# Altium PCB PCB3.PcbDoc (continued)
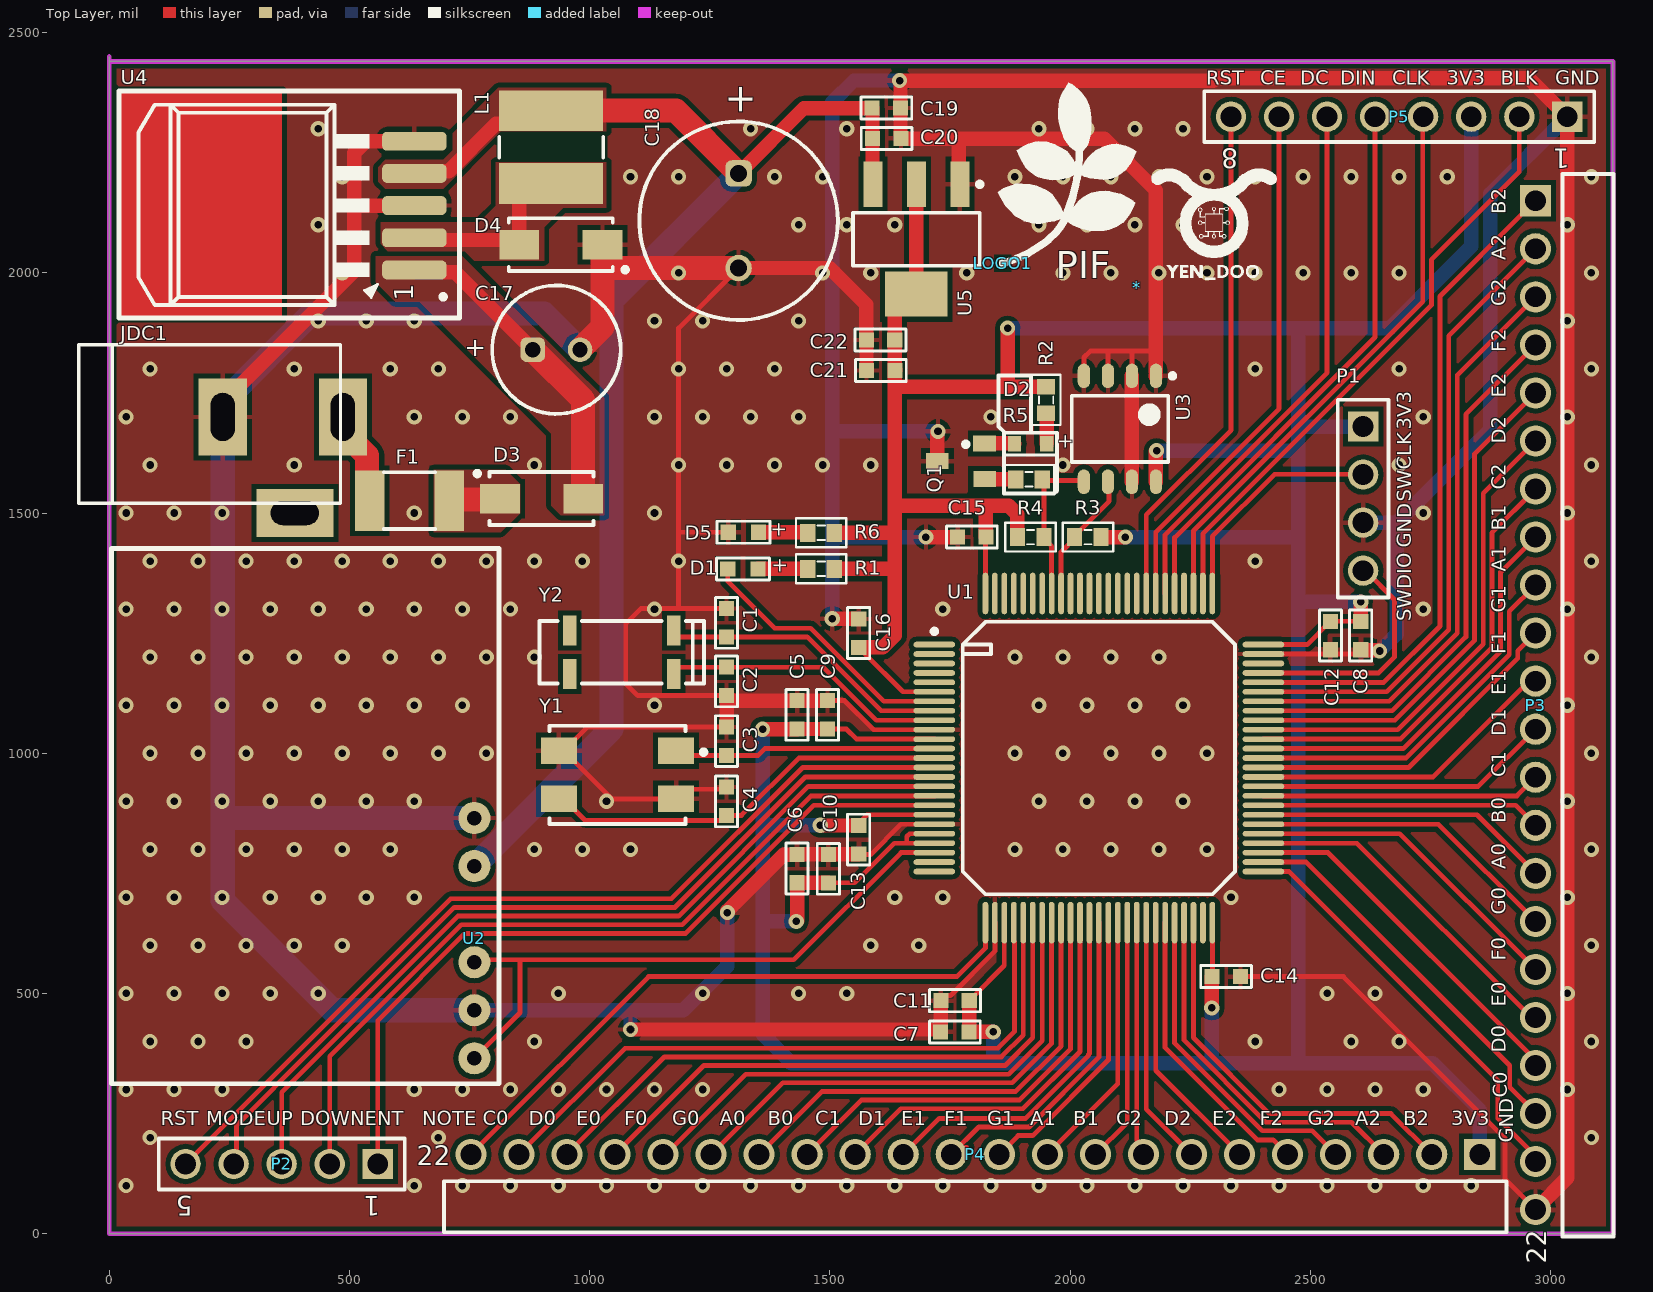
[diagram p0: Top Layer view]
## Part data (continued)
D1: library part 150060RS75000, "WL-SMCW SMT Mono-color Chip LED Waterclear, size 0603, Red, 2V, 140deg", Emitting Color=Red, Forward Voltage typ.=2V, Operating Temperature="-40 to +85degC", Chip Technology=AlInGaP, ComponentLink1Description=Manufacturer, ComponentLink1URL=http://www.we-online.de, ComponentLink2Description=Datasheet, ComponentLink2URL=https://www.we-online.com/catalog/datasheet/150060RS75000.pdf, Dominant Wavelength typ.=625nm, Luminous Intensity typ.=250mcd, Mounting Technology=SMT, Packaging="Tape and Reel", Part Number=150060RS75000, Peak Wavelength typ.=630nm, Published Date="December 2019", Publisher="Wurth Elektronik", Size=0603, Viewing Angle=140deg
D2: library part 150060BS84000, "WL-SMCW SMT Mono-color Chip LED Waterclear, size 0603 dome, Blue, 3.2V, 40deg", Emitting Color=Blue, Forward Voltage typ.=3.2V, Operating Temperature="-40 to +85degC", Chip Technology=InGaN, ComponentLink1Description=Manufacturer, ComponentLink1URL=http://www.we-online.de, ComponentLink2Description=Datasheet, ComponentLink2URL=https://www.we-online.com/catalog/datasheet/150060BS84000.pdf, Dominant Wavelength typ.=470nm, Luminous Intensity typ.=560mcd, Mounting Technology=SMT, Packaging="Tape and Reel", Part Number=150060BS84000, Peak Wavelength typ.=465nm, Published Date="December 2019", Publisher="Wurth Elektronik", Size="0603 dome", Viewing Angle=40deg
D3 D4: "Schottky Diode", Code_JEDEC=DO-214-AA, LatestRevisionDate=17-Jul-2002, LatestRevisionNote="Re-released for DXP Platform.", PackageDescription="DO-214-AA/SMB; 2 C-Bend Leads; Body 5.3 x 3.6 mm, inc. leads (LxW)", PackageReference=SMB, Published=8-Jun-2000, Publisher="Altium Limited"
D5: library part 150060GS75020, "WL-SMCW SMT Mono-color Chip LED Waterclear, size 0603, Green, 3.2V, 140deg", Emitting Color=Green, Forward Voltage typ.=3.2V, Operating Temperature="-40 to +85degC", Chip Technology=InGaN, ComponentLink1Description=Manufacturer, ComponentLink1URL=http://www.we-online.de, ComponentLink2Description=Datasheet, ComponentLink2URL=https://www.we-online.com/catalog/datasheet/150060GS75020.pdf, Dominant Wavelength typ.=525nm, Luminous Intensity typ.=700mcd, Mounting Technology=SMT, Packaging="Tape and Reel", Part Number=150060GS75020, Peak Wavelength typ.=515nm, Published Date="March 2020", Publisher="Wurth Elektronik", Size=0603, Viewing Angle=140deg
JDC1: "Jack DC input"
L1: library part 78477420, "WE-PD2A SMT Power Inductor, size 5848, 100uH, 0.57A", DC Resistance max.=0.65Ohm, DC Resistance typ.=0.51Ohm, Inductance=100uH, Manufacturer="Wurth Elektronik", Operating Temperature="-40 to +125degC", Rated Current=0.57A, Rated Voltage=80VDC, Saturation Current=0.68A, Self Resonant Frequency=7MHz, ComponentLink1Description=Manufacturer, ComponentLink1URL=http://www.we-online.de, ComponentLink2Description=Datasheet, ComponentLink2URL=https://www.we-online.com/catalog/datasheet/78477420.pdf, Manufacturer Part Number=78477420, Mounting Technology=SMT, Packaging="Tape and Reel", Published Date="May 2020", Size=5848
P1: "WR-PHD Pin Header, THT, pitch 2.54mm, Single Row, Vertical, 4p", Contact Resistance=20mOhm, Manufacturer="Wurth Elektronik", Operating Temperature="-40 to +105degC", Rated Current=3A, Withstanding Voltage=500VAC, Working Voltage=250VAC, ComponentLink1Description=Manufacturer, ComponentLink1URL=http://www.we-online.de, ComponentLink2Description=Datasheet, ComponentLink2URL=https://www.we-online.com/catalog/datasheet/61300411121.pdf, Gender="Pin Header", Manufacturer Part Number=61300411121, Mounting Technology=THT, Orientation=Vertical, Packaging=Bag, Pin Number=4, Pitch=2.54mm, Published Date="May 2020", Row Number=Single
P2: "WR-PHD Pin Header, THT, pitch 2.54mm, Single Row, Vertical, 5p", Contact Resistance=20mOhm, Manufacturer="Wurth Elektronik", Operating Temperature="-40 to +105degC", Rated Current=3A, Withstanding Voltage=500VAC, Working Voltage=250VAC, ComponentLink1Description=Manufacturer, ComponentLink1URL=http://www.we-online.de, ComponentLink2Description=Datasheet, ComponentLink2URL=https://www.we-online.com/catalog/datasheet/61300511121.pdf, Gender="Pin Header", Manufacturer Part Number=61300511121, Mounting Technology=THT, Orientation=Vertical, Packaging=Bag, Pin Number=5, Pitch=2.54mm, Published Date="May 2020", Row Number=Single
P3 P4: "WR-PHD Pin Header, THT, pitch 2.54mm, Single Row, Angled, 22p", Contact Resistance=20mOhm, Manufacturer="Wurth Elektronik", Operating Temperature="-40 to +105degC", Rated Current=3A, Withstanding Voltage=500VAC, Working Voltage=250VAC, ComponentLink1Description=Manufacturer, ComponentLink1URL=http://www.we-online.de, ComponentLink2Description=Datasheet, ComponentLink2URL=https://www.we-online.com/catalog/datasheet/61302211021.pdf, Gender="Pin Header", Manufacturer Part Number=61302211021, Mounting Technology=THT, Orientation=Angled, Packaging=Bag, Pin Number=22, Pitch=2.54mm, Published Date="May 2020", Row Number=Single
P5: "WR-PHD Pin Header, THT, pitch 2.54mm, Single Row, Vertical, 8p", Contact Resistance=20mOhm, Manufacturer="Wurth Elektronik", Operating Temperature="-40 to +105degC", Rated Current=3A, Withstanding Voltage=500VAC, Working Voltage=250VAC, ComponentLink1Description=Manufacturer, ComponentLink1URL=http://www.we-online.de, ComponentLink2Description=Datasheet, ComponentLink2URL=https://www.we-online.com/catalog/datasheet/61300811121.pdf, Gender="Pin Header", Manufacturer Part Number=61300811121, Mounting Technology=THT, Orientation=Vertical, Packaging=Bag, Pin Number=8, Pitch=2.54mm, Published Date="May 2020", Row Number=Single
Q1: "PNP Bipolar Transistor"
R1 R2 R3 R4 R5 R6: "Resistor"
U1: "ARM® Cortex®-M3 STM32F2 Microcontroller IC 32-Bit Single-Core 120MHz 256KB (256K x 8) FLASH 100-LQFP (14x14)", Mfr=STMicroelectronics, Operating Temperature="-40°C ~ 85°C (TA)", Package / Case=100-LQFP, Supplier Device Package="100-LQFP (14x14)", Voltage - Supply (Vcc/Vdd)="1.8V ~ 3.6V", Base Product Number=STM32F205, ComponentLink1Description=Digikey, ComponentLink1URL=https://www.digikey.com/en/products/detail/stmicroelectronics/STM32F205VCT6/2640805, Connectivity="CANbus, I²C, IrDA, LINbus, MMC, SPI, UART/USART, USB OTG", Core Processor="ARM® Cortex®-M3", Core Size="32-Bit Single-Core", Data Converters="/D 16x12b; D/A 2x12b", Mounting Type="Surface Mount", Number of I/O=82, Oscillator Type=Internal, Peripherals="Brown-out Detect/Reset, DMA, I²S, LCD, POR, PWM, WDT", Program Memory Size="256KB (256K x 8)", Program Memory Type=FLASH, RAM Size="100K x 8", Series=STM32F2, Speed=120MHz
U3: "EEPROM Memory IC 256Kb (32K x 8) I²C 1 MHz 550 ns 8-SOIC", Clock Frequency="1 MHz", Mfr="Microchip Technology", Operating Temperature="-40°C ~ 85°C (TA)", Package / Case="8-SOIC (0.154\", 3.90mm Width)", Supplier Device Package=8-SOIC, Voltage - Supply="1.7V ~ 5.5V", Access Time="550 ns", Base Product Number=AT24C256C, Category="Integrated Circuits (ICs)", ComponentLink1Description=Digikey, ComponentLink1URL=https://www.digikey.com/en/products/detail/microchip-technology/AT24C256C-SSHL-T/2271166, Memory Format=EEPROM, Memory Interface=I²C, Memory Size="256Kb (32K x 8)", Memory Type=Non-Volatile, Mounting Type="Surface Mount", Technology=EEPROM, Write Cycle Time - Word, Page=5ms
U4: Max Input Voltage="12 V", Max Output Current="3 (6.0 peak) A", Max Output Voltage=mV, Temperature Range="-40 to +125 degC", Category=IC-Power, Min Input Voltage=mV, Min Output Voltage=mV, Mounting Technology="Surface Mount", Status=Unreleased, Supply Voltage=mV
U5: "Available in 1.8V, 2.5V, 2.85V, 3.3V, 5V, and  Adjustable Versions"
Y1: library part 830026392, "WE-XTAL Quartz Crystal, SMT, 12SMX, 16MHz, +/-30ppm", Frequency Stability=+/-50ppm, Frequency Tolerance=+/-30ppm, Load Capacitance=16pF, Manufacturer="Wurth Elektronik", Operating Temperature="-20 to +70degC", ComponentLink1Description=Manufacturer, ComponentLink1URL=http://www.we-online.de, ComponentLink2Description=Datasheet, ComponentLink2URL=https://katalog.we-online.com/pbs/datasheet/830026392.pdf, Frequency=16MHz, Manufacturer Part Number=830026392, Mounting Technology=SMT, Packaging="Tape and Reel", Published Date="July 2020", Size=12SMX
Y2: library part 830016178, "WE-XTAL Watch Crystal, SMT, 85SMX, 32.768kHz, +/-20ppm", Frequency Stability=-, Frequency Tolerance=+/-20ppm, Load Capacitance=6pF, Manufacturer="Wurth Elektronik", Operating Temperature="-40 to +85degC", ComponentLink1Description=Manufacturer, ComponentLink1URL=http://www.we-online.de, ComponentLink2Description=Datasheet, ComponentLink2URL=https://katalog.we-online.com/pbs/datasheet/830016178.pdf, Frequency=32.768kHz, Manufacturer Part Number=830016178, Mounting Technology=SMT, Packaging="Tape and Reel", Published Date="July 2020", Size=85SMX

## Via types
v1: diameter 31.5/31.5 (per signal layer), hole 15.75, Top Layer to Bottom Layer, tented both sides, 269 vias
v2: diameter 31.5, hole 15.75, Top Layer to Bottom Layer, tented both sides, 16 vias

## Nets (pads, with @x,y where several pads share a name; then routed paths per layer and width w, separated by ;. In a path a pad name is that pad's centre, name@x,y a point inside that pad or via, vN(x,y) a via of type N, cw(c..) or ccw(c..) an arc to the next point about the centre after c; other vN are vias at no path point)
3V3: C5.2 C6.2 C7.2 C8.2 C9.2 C10.2 C11.2 C12.2 C13.1 C14.1 C15.1 C16.1 C21.2 C22.2 P1.1 P4.1 P5.3 R1.2 R2.2 R3.2 R4.2 R6.2 U1.6 U1.11 U1.19 U1.21 U1.22 U1.28 U1.50 U1.75 U1.100 U3.8 U5.2 U5.4 | length 10773.5
  Top Layer w10: C9.2 1534.53,1050.47 1555.63,1029.37 U1.11 ; C10.2 1497.31,730.47 1551.71,730.47 1634.07,812.83 1660,812.83 ; C13.1@1560,854.53 1577.36,871.89 U1.19 ; C16.1@1570.75,1209.25 1652.2,1127.8 U1.6 ; U1.22 1660,812.83 ; U1.21 1665.86,832.52 1660,826.66 1660,812.83 ; C11.2@1796.3,491.3 1863.15,558.15 U1.28 ; U1.100 1823.78,1448.78 C15.1 ; C14.1 2296.22,535.75 U1.50 ; U1.75 2493.53,1226.22 C12.2 C8.2
  Top Layer w30: v2(1360,1050) 1360.24,1050.24 1431.13,1050.24 1431.37,1050 C5.2 C9.2 ; v2(1430,650) 1431.84,651.84 C6.2 1432.08,730.24 1496.6,730.24 C10.2 ; v2(1480,850) 1480.4,850 1480.88,849.53 C13.1 ; R1.2 1631.22,1383.78 1635,1380 ; R6.2 1633.79,1458.79 1635,1460 ; C16.1 1570.75,1220.47 1610.47,1220.47 1635,1245 1635,1380 ; C21.2 C21.2@1636.42,1797.79 ; U5.2 U5.4 1667.24,1955.83 1635,1923.58 C22.2 1635,1796.84 1635,1760 ; C11.2 1790,420.47 C7.2 1789.58,419.95 v2(1840.11,419.89) v2(1840.11,419.89) ; C15.1 1824.25,1450.75 1824.25,1510.75 1820,1515 ; v2(1870,1885) 1870,1762.73 ; R4.2 1889.69,1450.75 1889.69,1497.43 1872.12,1515 1820,1515 ; R2.2 1870,1762.73 ; R3.2 v2(2115,1450) ; U3.8 2178.73,1628.73 v2(2180,1630) ; v2(2295,470) 2295.24,470.24 2295.24,534.29 2295,534.53 C14.1 ; C8.2 v2(2605,1315) ; 1635,1380 1635,1460 ; 1635,1460 1635,1515 ; 1635,1515 1635,1760 ; 1635,1515 1820,1515 ; 1635,1760 1637.73,1762.73 1870,1762.73
  Bottom Layer w30: v2(1360,1050) 1360,850 ; v2(1430,650) 1360,650 ; v2(1480,850) 1360,850 ; v2(1840.11,419.89) 1840.39,419.61 1840.39,355 ; v2(1870,1885) 2475,1885 ; v2(2115,1450) 2475,1450 ; v2(2180,1630) 2475,1630 ; v2(2295,470) 2295,355 ; v2(2605,1315) 2475,1315 ; P1.1 2475,1680 ; P5.3 2835,2055 2665,1885 2475,1885 ; P4.1 2852.74,257.26 2755,355 2475,355 ; 1360,650 1360,850 ; 1360,650 1360,415 1420,355 1840.39,355 ; 1840.39,355 2295,355 ; 2295,355 2475,355 ; 2475,355 2475,1315 ; 2475,1315 2475,1450 ; 2475,1450 2475,1630 ; 2475,1630 2475,1680 ; 2475,1680 2475,1885
5V: C18.1 C19.2 C20.2 L1.2 U2.4 U4.4 U5.3 | length 2946.5
  Top Layer w30: U4.4 639.68,2211.61 706.61,2211.61 805.06,2310.06 892.68,2310.06 L1.2 ; C18.1 1446.12,2342.97 C19.2 1588.67,2342.22 1588.67,2184.95 U5.3
  Top Layer w50: L1.2 1179.47,2337.38 C18.1
  Bottom Layer w50: U2.4 1045,1050 1045,1941.85 C18.1
12V: F1.1 JDC1.1 | length 197.5
  Top Layer w50: JDC1.1 486.27,1670.01 536.81,1619.46 536.81,1531.25 F1.1
GND: C1.1 C2.1 C3.1 C4.1 C5.1 C6.1 C7.1 C8.1 C9.1 C10.1 C11.1 C12.1 C13.2 C14.2 C15.2 C16.2 C17.2 C18.2 C19.1 C20.1 C21.1 C22.1 D4.1 D5.1 JDC1.2 P1.3 P3.22 P5.1 Q1.2 U1.10 U1.20 U1.27 U1.74 U2.2 U2.5 U3.1 U3.2 U3.3 U3.4 U3.7 U4.3 U4.5 U5.1 Y1.2 Y1.4 | length 19730.9
  Top Layer w10: Y1.4 Y1.4@945.75,1005 ; C4.1 1280.47,925 1200,925 Y1.2 1045.75,905 Y1.4@945.75,1005 ; C3.1 995.28,1054.53 Y1.4@945.75,1005 ; C2.1 1099.92,1120.08 1075,1145 1075,1270 1106.15,1301.15 1185,1301.15 ; C1.1 1185,1301.15 ; D5.1 1185,1460 ; C18.2 1185,1885 1185,1460 ; C9.1 1530.47,1109.53 1590.94,1049.06 U1.10 ; C13.2@1560,795.47 1567.74,787.74 1569.11,789.11 1584.89,789.11 1647.99,852.2 U1.20 ; C11.1 1741.69,495.75 1751.57,495.75 1843.46,587.64 U1.27 ; U3.4 2028.73,1823.73 2042.07,1837.07 2078.73,1837.07 ; U3.3 2078.73,1837.07 ; U3.2 2128.73,1837.07 ; U3.1@2171.53,1801.25 2178.73,1794.05 U3.1 ; 2178.73,1835 2176.66,1837.07 2128.73,1837.07 ; C14.2 2568.91,535 2905,198.91 2905,113.85 P3.22 ; U1.74 2596.06,1206.54 C8.1 ; 1185,1301.15 1185,1460 ; 2078.73,1837.07 2128.73,1837.07
  Top Layer w30: JDC1.2 236.27,1730.01 510,2003.74 510,2140 ; U4.3 510,2140 ; U4.5 533.86,2273.86 510,2250 510,2140 ; v2(1085,425) C7.1@1730.47,425 ; C3.1 C2.1 1295.55,1109.53 C5.1 C9.1 ; v2(1286.74,668.26) 1286.74,672.14 1403.38,788.78 1431.09,788.78 C6.1 C10.1@1496.84,789.53 ; C18.2 1500,2010 1575.94,1934.06 C22.1 1576.18,1859.76 1576.18,1797.08 C21.1 ; C10.1 1497.31,789.53 1559.05,789.53 C13.2 ; v2(1505,1280) 1559.53,1280 C16.2 ; v2(1645,2400) v2@1646.98,2400 ; v2(1700,1450) C15.2 ; Q1.2 1723.71,1668.71 v2(1725,1670) ; C7.1@1730.47,420.75 C7.1@1730.47,425 ; C11.1 1730.47,484.53 C7.1@1730.47,425 ; U5.1 1767.9,2186.82 1767.9,2279.07 ; U3.7 U3.2 ; U3.1@2178.73,1784.96 U3.1 ; U3.1@2178.73,1794.05 2178.73,1835 2178.73,2171.27 2070.93,2279.07 1767.9,2279.07 ; C8.1 2605.75,1214.72 2641.88,1214.72 2643.85,1212.75 v2(2644.25,1212.75) ; P3.22 3035,116.15 P5.1 2955,2405 2302.7,2405 2297.7,2400 v2@1646.98,2400 ; v2@1646.98,2400 C19.1 1646.98,2280.76 C20.1 1648.67,2279.07 1767.9,2279.07
  Top Layer w50: C17.2 980,1840.32 1026.61,1886.93 1026.61,1995 ; D4.1 1026.61,1995 ; C18.2 1041.61,2010 1026.61,1995
  Bottom Layer w30: U2.2 1083.48,465 1076.67,458.18 ; v2(1085,425) 1085,465 1195,465 1286.74,556.74 v2(1286.74,668.26) ; C18.2 1487.43,2010 1505,1992.43 ; v2(1505,1280) 1505,1450 ; v2(1645,2400) 1644.71,2400.29 1550.29,2400.29 1505,2355 1505,1992.43 ; v2(1700,1450) 1505,1450 ; v2(1725,1670) 1510,1670 1505,1665 ; P1.3 2680,1480 ; v2(2644.25,1212.75) 2644.66,1212.75 2679.33,1247.43 2680,1247.43 2680,1480 ; P5.1 2875,2165 2875,1675 2680,1480 ; 1505,1450 1505,1665 ; 1505,1665 1505,1992.43
  Bottom Layer w50: U2.2 465,465 236.27,693.73 236.27,855 ; U2.5 246.27,865 236.27,855 ; C17.2 905,1915 421.26,1915 236.27,1730.01 JDC1.2 236.27,855
  other v1: 35,100 635,100 735,100 835,100 935,100 1035,100 1135,100 1235,100 1335,100 1435,100 1535,100 1635,100 1735,100 1835,100 1935,100 2035,100 2135,100 2235,100 2335,100 2435,100 2535,100 2635,100 2735,100 2835,100 85,200 685,200 3085,200 35,300 135,300 235,300 635,300 735,300 835,300 935,300 1035,300 1135,300 1235,300 2435,300 2535,300 2635,300 2735,300 3035,300 85,400 185,400 285,400 885,400 2385,400 2585,400 2685,400 3085,400 35,500 135,500 235,500 335,500 435,500 935,500 1235,500 1435,500 1535,500 2535,500 2635,500 3035,500 85,600 185,600 285,600 385,600 485,600 1585,600 1685,600 3085,600 35,700 135,700 235,700 335,700 435,700 535,700 635,700 1635,700 1735,700 2335,700 3035,700 85,800 185,800 285,800 385,800 485,800 585,800 885,800 985,800 1085,800 1885,800 1985,800 2085,800 2185,800 2285,800 3085,800 35,900 135,900 235,900 335,900 435,900 535,900 635,900 1035,900 1935,900 2035,900 2135,900 2235,900 3035,900 85,1000 185,1000 285,1000 385,1000 485,1000 585,1000 685,1000 785,1000 1885,1000 1985,1000 2085,1000 2185,1000 2285,1000 3085,1000 35,1100 135,1100 235,1100 335,1100 435,1100 535,1100 635,1100 735,1100 1135,1100 1935,1100 2035,1100 2135,1100 2235,1100 3035,1100 85,1200 185,1200 285,1200 385,1200 485,1200 585,1200 685,1200 785,1200 885,1200 1885,1200 1985,1200 2085,1200 2185,1200 3085,1200 35,1300 135,1300 235,1300 335,1300 435,1300 535,1300 635,1300 735,1300 835,1300 1135,1300 1735,1300 2735,1300 3035,1300 85,1400 185,1400 285,1400 385,1400 485,1400 585,1400 685,1400 785,1400 885,1400 985,1400 1185,1400 2385,1400 3085,1400 35,1500 135,1500 235,1500 635,1500 1135,1500 2735,1500 3035,1500 85,1600 385,1600 885,1600 1185,1600 1285,1600 1385,1600 1485,1600 1585,1600 1985,1600 2685,1600 3085,1600 35,1700 635,1700 735,1700 835,1700 1135,1700 1235,1700 1335,1700 1435,1700 1835,1700 2735,1700 3035,1700 85,1800 385,1800 585,1800 685,1800 1185,1800 1285,1800 1385,1800 2385,1800 2685,1800 3085,1800 435,1900 535,1900 635,1900 1135,1900 1235,1900 1435,1900 3035,1900 485,2000 1185,2000 1485,2000 1585,2000 1785,2000 1985,2000 2085,2000 2185,2000 2285,2000 2385,2000 2485,2000 2585,2000 2685,2000 3085,2000 435,2100 1435,2100 1535,2100 1635,2100 1935,2100 2035,2100 2135,2100 2235,2100 3035,2100 485,2200 1085,2200 1185,2200 1385,2200 1485,2200 1885,2200 1985,2200 2085,2200 2185,2200 2285,2200 2385,2200 2485,2200 2585,2200 2685,2200 2785,2200 3085,2200 435,2300 1335,2300 1535,2300 1935,2300 2035,2300 2135,2300 2235,2300
NetC1_2: C1.2 U1.8 Y2.1 | length 614.4
  Top Layer w10: Y2.1 1175,1250.87 1183.78,1242.09 C1.2 1452.91,1242.09 1606.57,1088.43 U1.8
NetC2_2: C2.2 U1.9 Y2.4 | length 597.2
  Top Layer w10: Y2.4 1175,1170.36 1183.78,1179.14 1486.32,1179.14 1596.72,1068.74 U1.9
NetC3_2: C3.2 U1.12 Y1.1 | length 547.3
  Top Layer w10: Y1.1 1189.53,995.47 C3.2 1350.47,995.47 1364.68,1009.69 U1.12
NetC4_2: C4.2 U1.13 Y1.3 | length 854.1
  Top Layer w10: Y1.3 945.75,905 990.75,860 1274.53,860 C4.2 1315.75,870.47 1435.28,990 U1.13
NetC17_1: C17.1 D3.2 U4.1 | length 668.9
  Top Layer w30: U4.1 639.68,2001.46 720.12,2001.46 C17.1
  Top Layer w50: C17.1 986.61,1734.96 D3.2
NetD1_1: D1.1 U1.7 | length 559.5
  Top Layer w10: D1.1 1287.49,1357.59 1384.99,1260.09 1460.36,1260.09 1612.35,1108.11 U1.7
NetD1_2: D1.2 R1.1 | length 103.4
  Top Layer w30: D1.2 R1.1
NetD2_1: D2.1 Q1.1 | length 62.8
  Top Layer w30: Q1.1 1882.92,1645 1883.83,1644.08 D2.1
NetD2_2: D2.2 R2.1 | length 64.3
  Top Layer w30: R2.1 1950.49,1707.61 1951.23,1706.86 D2.2
NetD3_1: D3.1 F1.2 | length 107.5
  Top Layer w50: F1.2 709.81,1527.87 811.25,1527.87 D3.1
NetD4_2: D4.2 L1.1 U4.2 | length 402.1
  Top Layer w30: U4.2 639.68,2068.39 843.67,2068.39 D4.2 853.39,2158.48 880.71,2185.81 L1.1
NetD5_2: D5.2 R6.1 | length 103.2
  Top Layer w30: D5.2 1453.18,1460 1453.93,1459.25 R6.1
NetP1_2: P1.2 U1.76 | length 486.1
  Top Layer w10: U1.76 2296.22,1451.22 2425.77,1580.77 P1.2@2610,1580.77
NetP1_4: P1.4 U1.72 | length 495.9
  Top Layer w10: U1.72 2642.17,1167.17 2675,1200 2675,1320 2615,1380 P1.4
NetP2_1: P2.1 U1.18 | length 1642.6
  Top Layer w10: P2.1 558.97,443.52 740.46,625 1200,625 1466.57,891.57 U1.18
NetP2_2: P2.2 U1.17 | length 1707.1
  Top Layer w10: P2.2 458.97,368.97 733,643 1192.54,643 1460.8,911.26 U1.17
NetP2_3: P2.3 U1.16 | length 1771.6
  Top Layer w10: P2.3 358.97,294.43 440.97,376.43 725.54,661 1185.09,661 1455.03,930.94 U1.16
NetP2_4: P2.4 U1.15 | length 1836.1
  Top Layer w10: P2.4 265,151.03 265,225.91 422.97,383.88 718.09,679 1177.63,679 1449.26,950.63 U1.15
NetP2_5: P2.5 U1.14 | length 1900.6
  Top Layer w10: P2.5 158.97,145.34 710.63,697 1170.18,697 1443.49,970.32 U1.14
NetP3_1: P3.1 U1.71 | length 1383.8
  Top Layer w10: U1.71 2652.94,1147.48 2770,1264.54 2770,1951.15 2941.37,2122.52 P3.1
NetP3_2: P3.2 U1.70 | length 1306.9
  Top Layer w10: U1.70 2658.71,1127.8 2788,1257.09 2788,1869.15 P3.2
NetP3_3: P3.3 U1.69 | length 1229.9
  Top Layer w10: U1.69 2664.48,1108.11 2806,1249.63 2806,1787.15 P3.3
NetP3_4: P3.4 U1.68 | length 1153
  Top Layer w10: U1.68 2670.25,1088.43 2824,1242.18 2824,1705.15 P3.4
NetP3_5: P3.5 U1.67 | length 1076.1
  Top Layer w10: U1.67 2676.02,1068.74 2842,1234.72 2842,1623.15 P3.5
NetP3_6: P3.6 U1.66 | length 999.1
  Top Layer w10: U1.66 2681.79,1049.06 2860,1227.27 2860,1541.15 P3.6
NetP3_7: P3.7 U1.65 | length 922.2
  Top Layer w10: U1.65 2687.56,1029.37 2878,1219.81 2878,1459.15 P3.7
NetP3_8: P3.8 U1.64 | length 845.3
  Top Layer w10: U1.64 2693.33,1009.69 2896,1212.35 2896,1377.15 P3.8
NetP3_9: P3.9 U1.63 | length 768.3
  Top Layer w10: U1.63 2699.1,990 2914,1204.9 2914,1295.15 P3.9
NetP3_10: P3.10 U1.62 | length 691.4
  Top Layer w10: U1.62 2704.87,970.32 2932,1197.44 2932,1213.15 P3.10
NetP3_11: P3.11 U1.61 | length 648.9
  Top Layer w10: U1.61 2755.63,950.63 2955,1150 P3.11
NetP3_12: P3.12 U1.60 | length 615.6
  Top Layer w10: U1.60 2849.8,930.94 P3.12
NetP3_13: P3.13 U1.59 | length 582.4
  Top Layer w10: U1.59 2930.11,911.26 P3.13
NetP3_14: P3.14 U1.58 | length 583.6
  Top Layer w10: U1.58 2927.28,891.57 P3.14
NetP3_15: P3.15 U1.57 | length 616.8
  Top Layer w10: U1.57 2846.96,871.89 P3.15
NetP3_16: P3.16 U1.56 | length 650.1
  Top Layer w10: U1.56 2766.65,852.2 P3.16
NetP3_17: P3.17 U1.55 | length 683.4
  Top Layer w10: U1.55 2686.33,832.52 P3.17
NetP3_18: P3.18 U1.54 | length 716.6
  Top Layer w10: U1.54 2597.17,812.83 2960,450 P3.18
NetP3_19: P3.19 U1.53 | length 756.4
  Top Layer w10: U1.53 2536.85,793.15 2968.85,361.15 P3.19
NetP3_20: P3.20 U1.52 | length 810.2
  Top Layer w10: U1.52 2491.54,773.46 2915,350 2915,305 2968.85,251.15 P3.20
NetP3_21: P3.21 U1.51 | length 869.6
  Top Layer w10: U1.51 2455.76,753.78 2890,319.54 2890,240 2968.85,161.15 P3.21
NetP4_2: P4.2 U1.48 | length 835.9
  Top Layer w10: U1.48 2256.85,408.15 2415,250 2667.74,250 P4.2
NetP4_3: P4.3 U1.47 | length 759
  Top Layer w10: U1.47 2237.17,402.38 2407.54,232 2585.74,232 P4.3
NetP4_4: P4.4 U1.46 | length 682.1
  Top Layer w10: U1.46 2217.48,396.61 2400.09,214 2503.74,214 P4.4
NetP4_5: P4.5 U1.45 | length 607.5
  Top Layer w10: U1.45 2197.8,609.59 2197.45,609.24 2197.45,387.55 2390,195 2422.74,195 P4.5
NetP4_6: P4.6 U1.44 | length 554.8
  Top Layer w10: U1.44 2178.11,339.63 P4.6
NetP4_7: P4.7 U1.43 | length 521.5
  Top Layer w10: U1.43 2158.43,259.31 P4.7
NetP4_8: P4.8 U1.42 | length 488.3
  Top Layer w10: U1.42 2138.74,193.87 2152.74,179.87 P4.8
NetP4_9: P4.9 U1.41 | length 509.9
  Top Layer w10: P4.9 2119.05,231.32 U1.41
NetP4_10: P4.10 U1.40 | length 543.2
  Top Layer w10: P4.10 2099.37,311.63 U1.40
NetP4_11: P4.11 U1.39 | length 594.4
  Top Layer w10: P4.11 1891.74,204 1922.26,204 2079.68,361.43 U1.39
NetP4_12: P4.12 U1.38 | length 709.7
  Top Layer w10: 1784.94,179.94 1782.55,179.94 1767.61,165 P4.12 1809.74,222 1914.8,222 2060,367.2 U1.38
NetP4_13: P4.13 U1.37 | length 748.2
  Top Layer w10: P4.13 1727.74,240 1907.35,240 2038.63,371.28 2038.63,373.32 2040.31,375 U1.37
NetP4_14: P4.14 U1.36 | length 825.2
  Top Layer w10: P4.14 1647.74,260 1901.89,260 2020.63,378.74 U1.36
NetP4_15: P4.15 U1.35 | length 902.1
  Top Layer w10: P4.15 1565.74,278 1894.44,278 2000.94,384.51 U1.35
NetP4_16: P4.16 U1.34 | length 979
  Top Layer w10: P4.16 1483.74,296 1886.98,296 1981.26,390.28 U1.34
NetP4_17: P4.17 U1.33 | length 1056
  Top Layer w10: P4.17 1401.74,314 1879.52,314 1961.57,396.05 U1.33
NetP4_18: P4.18 U1.32 | length 1132.9
  Top Layer w10: P4.18 1158,165 1325,332 1872.07,332 1941.89,401.82 U1.32
NetP4_19: P4.19 U1.31 | length 1209.8
  Top Layer w10: P4.19 1237.74,350 1864.61,350 1922.2,407.59 U1.31
NetP4_20: P4.20 U1.30 | length 1286.8
  Top Layer w10: P4.20 1155.74,368 1857.16,368 1902.52,413.36 U1.30
NetP4_21: P4.21 U1.29 | length 1364.8
  Top Layer w10: P4.21 1073.74,386 1849.7,386 1884.11,420.41 1884.11,608.31 1882.83,609.59 U1.29
NetP4_22: P4.22 U1.26 | length 1302.1
  Top Layer w10: P4.22 1122.74,535 1764.54,535 1823.78,594.24 U1.26
NetP5_2: P5.2 U1.77 | length 1265.2
  Top Layer w10: U1.77 2276.54,1456.99 2752,1932.46 2752,2027 2935,2210 P5.2
NetP5_4: P5.4 U1.78 | length 1190.5
  Top Layer w10: U1.78 2256.85,1462.76 2734,1939.91 2734,2324 P5.4
NetP5_5: P5.5 U1.80 | length 1165.4
  Top Layer w10: U1.80 2217.48,1448.85 2635,1866.37 P5.5
NetP5_6: P5.6 U1.81 | length 1132.2
  Top Layer w10: U1.81 2197.8,1454.62 2535,1791.82 P5.6
NetP5_7: P5.7 U1.82 | length 1098.9
  Top Layer w10: U1.82 2178.11,1460.39 2435,1717.28 P5.7
NetP5_8: P5.8 U1.83 | length 1065.6
  Top Layer w10: U1.83 2158.43,1496.13 2335,1672.7 P5.8
NetQ1_3: Q1.3 R5.1 | length 64.9
  Top Layer w30: Q1.3 1822.44,1570.3 1886.51,1570.3 R5.1
NetR3_1: R3.1 U1.92 U3.6 | length 277.9
  Top Layer w10: U1.92 1981.26,1418.86 2009.45,1447.05 2009.45,1452.95 2081.23,1524.73 2081.23,1565.45 U3.6@2083.73,1567.94
NetR4_1: R4.1 R5.2 U1.93 U3.5 | length 334.7
  Top Layer w10: R5.2 1943.98,1567.94 R5.2@1945.56,1567.94 ; U1.93 1961.57,1431.03 1945.56,1447.05 R4.1 R5.2@1945.56,1567.94 ; U3.5@2033.73,1567.94 R5.2@1945.56,1567.94
NetU1_23: U1.23 U2.1 U2.3 | length 1296.3
  Top Layer w10: U2.1 855,460 855,570 ; U2.3 765,570 855,570 ; U1.23 1648.15,793.15 1425,570 855,570
pads on no net: JDC1.3 LOGO1.1 U1.1 U1.2 U1.3 U1.4 U1.5 U1.24 U1.25 U1.49 U1.73 U1.79 U1.84 U1.85 U1.86 U1.87 U1.88 U1.89 U1.90 U1.91 U1.94 U1.95 U1.96 U1.97 U1.98 U1.99 Y2.2 Y2.3

## Polygon pours and split planes (outlines as drawn)
GND on Top Layer "GND_L01_P008" (solid, remove dead copper, pour order 8): 0,2440 3130,2440 3130,0 0,0 0,2450
NetD3_1 on Top Layer "NONET_L01_P-001" (solid, pour order 4): 675,1590 825,1590 855,1560 855,1500 815,1460 675,1460
5V on Top Layer "NONET_L01_P-001" (solid, pour order 3): 560,2220 575,2235 695,2235 715,2255 715,2290 810,2385 1035,2385 1035,2295 815,2295 695,2175 575,2175 560,2190
NetD4_2 on Top Layer "NONET_L01_P-001" (solid, pour order 2): 565,2060 580,2045 740,2045 760,2025 905,2025 905,2095 945,2135 1035,2135 1035,2230 805,2230 805,2140 770,2105 565,2105
NetC17_1 on Top Layer "NONET_L01_P-001" (solid, pour order 0): 595,1940 645,1940 920,1665 920,1630 920,1515 940,1495 1030,1495 1030,1740 735,2035 555,2035 555,1980
GND on Bottom Layer "GND_L02_P009" (solid, remove dead copper, pour order 9): 0,2440 3130,2440 3130,0 0,0 0,2450

## Keep-outs
Keep-Out Layer:
  the board outline again, w10

## Other copper
Top Layer:
  pour cut-out: 806.44,2388.07 1036.44,2388.07 1036.44,2138.07 806.44,2138.07
Bottom Layer:
  pour cut-out: 805,2385 1035,2385 1035,2135 805,2135

## Silkscreen, mask and mechanical layers (free items; w line width, h text height)
Top Overlay:
  lines w8: 1862.77,1668.58 1862.77,1621.08 1862.77,1600.4 1862.77,1540.4 1966.96,1540.4 1972.77,1546.21 1972.77,1667.08 1864.27,1667.08 ; 1864.27,1667.08 1919,1667.08 1919,1786 1851,1786 1851,1680.35 1864.27,1667.08
  text "RST" at 2283,2391 h30
  text "CE" at 2396.14,2391 h30
  text "DC" at 2479.29,2391 h30
  text "DIN" at 2562.44,2391 h30
  text "CLK" at 2670.58,2391 h30
  text "3V3" at 2783.72,2391 h30
  text "BLK" at 2896.86,2391 h30
  text "GND" at 3010,2391 h30
  text "B2" at 2907,2121.5 h30 r90
  text "A2" at 2907,2026 h30 r90
  text "G2" at 2907,1930.5 h30 r90
  text "F2" at 2907,1835 h30 r90
  text "E2" at 2907,1739.51 h30 r90
  text "3V3" at 2710,1673 h30 r90
  text "D2" at 2907,1644.01 h30 r90
  text "C2" at 2907,1548.51 h30 r90
  text "SWCLK" at 2710,1523 h30 r90
  text "B1" at 2907,1463.01 h30 r90
  text "GND" at 2710,1428 h30 r90
  text "A1" at 2907,1377.5 h30 r90
  text "G1" at 2907,1292 h30 r90
  text "SWDIO" at 2710,1275 h30 r90
  text "F1" at 2907,1206.5 h30 r90
  text "E1" at 2907,1121 h30 r90
  text "D1" at 2907,1035.49 h30 r90
  text "C1" at 2907,949.99 h30 r90
  text "B0" at 2907,854.49 h30 r90
  text "A0" at 2907,759 h30 r90
  text "G0" at 2907,663.5 h30 r90
  text "F0" at 2907,568 h30 r90
  text "E0" at 2907,472.5 h30 r90
  text "D0" at 2907,377 h30 r90
  text "C0" at 2910,283 h30 r90
  text "RST" at 107,226 h30
  text "MODE" at 202,226 h30
  text "UP" at 328,226 h30
  text "DOWN" at 398,226 h30
  text "ENT" at 532,226 h30
  text "NOTE C0" at 651,226 h30
  text "D0" at 873,226 h30
  text "E0" at 972.5,226 h30
  text "F0" at 1072,226 h30
  text "G0" at 1171.5,226 h30
  text "A0" at 1271,226 h30
  text "B0" at 1370.49,226 h30
  text "C1" at 1469.99,226 h30
  text "D1" at 1559.49,226 h30
  text "E1" at 1649,226 h30
  text "F1" at 1738.5,226 h30
  text "G1" at 1828,226 h30
  text "A1" at 1917.5,226 h30
  text "B1" at 2007.01,226 h30
  text "C2" at 2096.51,226 h30
  text "D2" at 2196.01,226 h30
  text "E2" at 2295.51,226 h30
  text "F2" at 2395,226 h30
  text "G2" at 2494.5,226 h30
  text "A2" at 2594,226 h30
  text "B2" at 2693.5,226 h30
  text "3V3" at 2793,226 h30
  text "GND" at 2922,189 h30 r90

## Text inside footprints (layer, text, board x,y; h text height)
C17: Top Overlay "+" at 785.12,1859.68 h39.37 r180
C18: Top Overlay "+" at 1339.53,2326.93 h59.06 r90
D1: Top Overlay "+" at 1408.99,1373.78 h30 r90
D2: Top Overlay "+" at 2003.77,1632.08 h30 r90
D5: Top Overlay "+" at 1407,1449 h30 r90
LOGO1: Top Overlay "PIF" at 1970.67,1989 h56.25
P2: Top Overlay "5" at 173.93,78.07 h40 r180; Top Overlay "1" at 563.7,78.07 h40 r180
P3: Top Overlay "22" at 2991.29,-62.99 h40 r90
P4: Top Overlay "22" at 639.75,142.56 h40
P5: Top Overlay "8" at 2349.96,2258.07 h40 r180; Top Overlay "1" at 3039.72,2258.07 h40 r180
U4: Top Overlay "1" at 633,1942.14 h39.37 r90